# Altium PCB PCB main.PcbDoc (part 1 of 2) (continued)
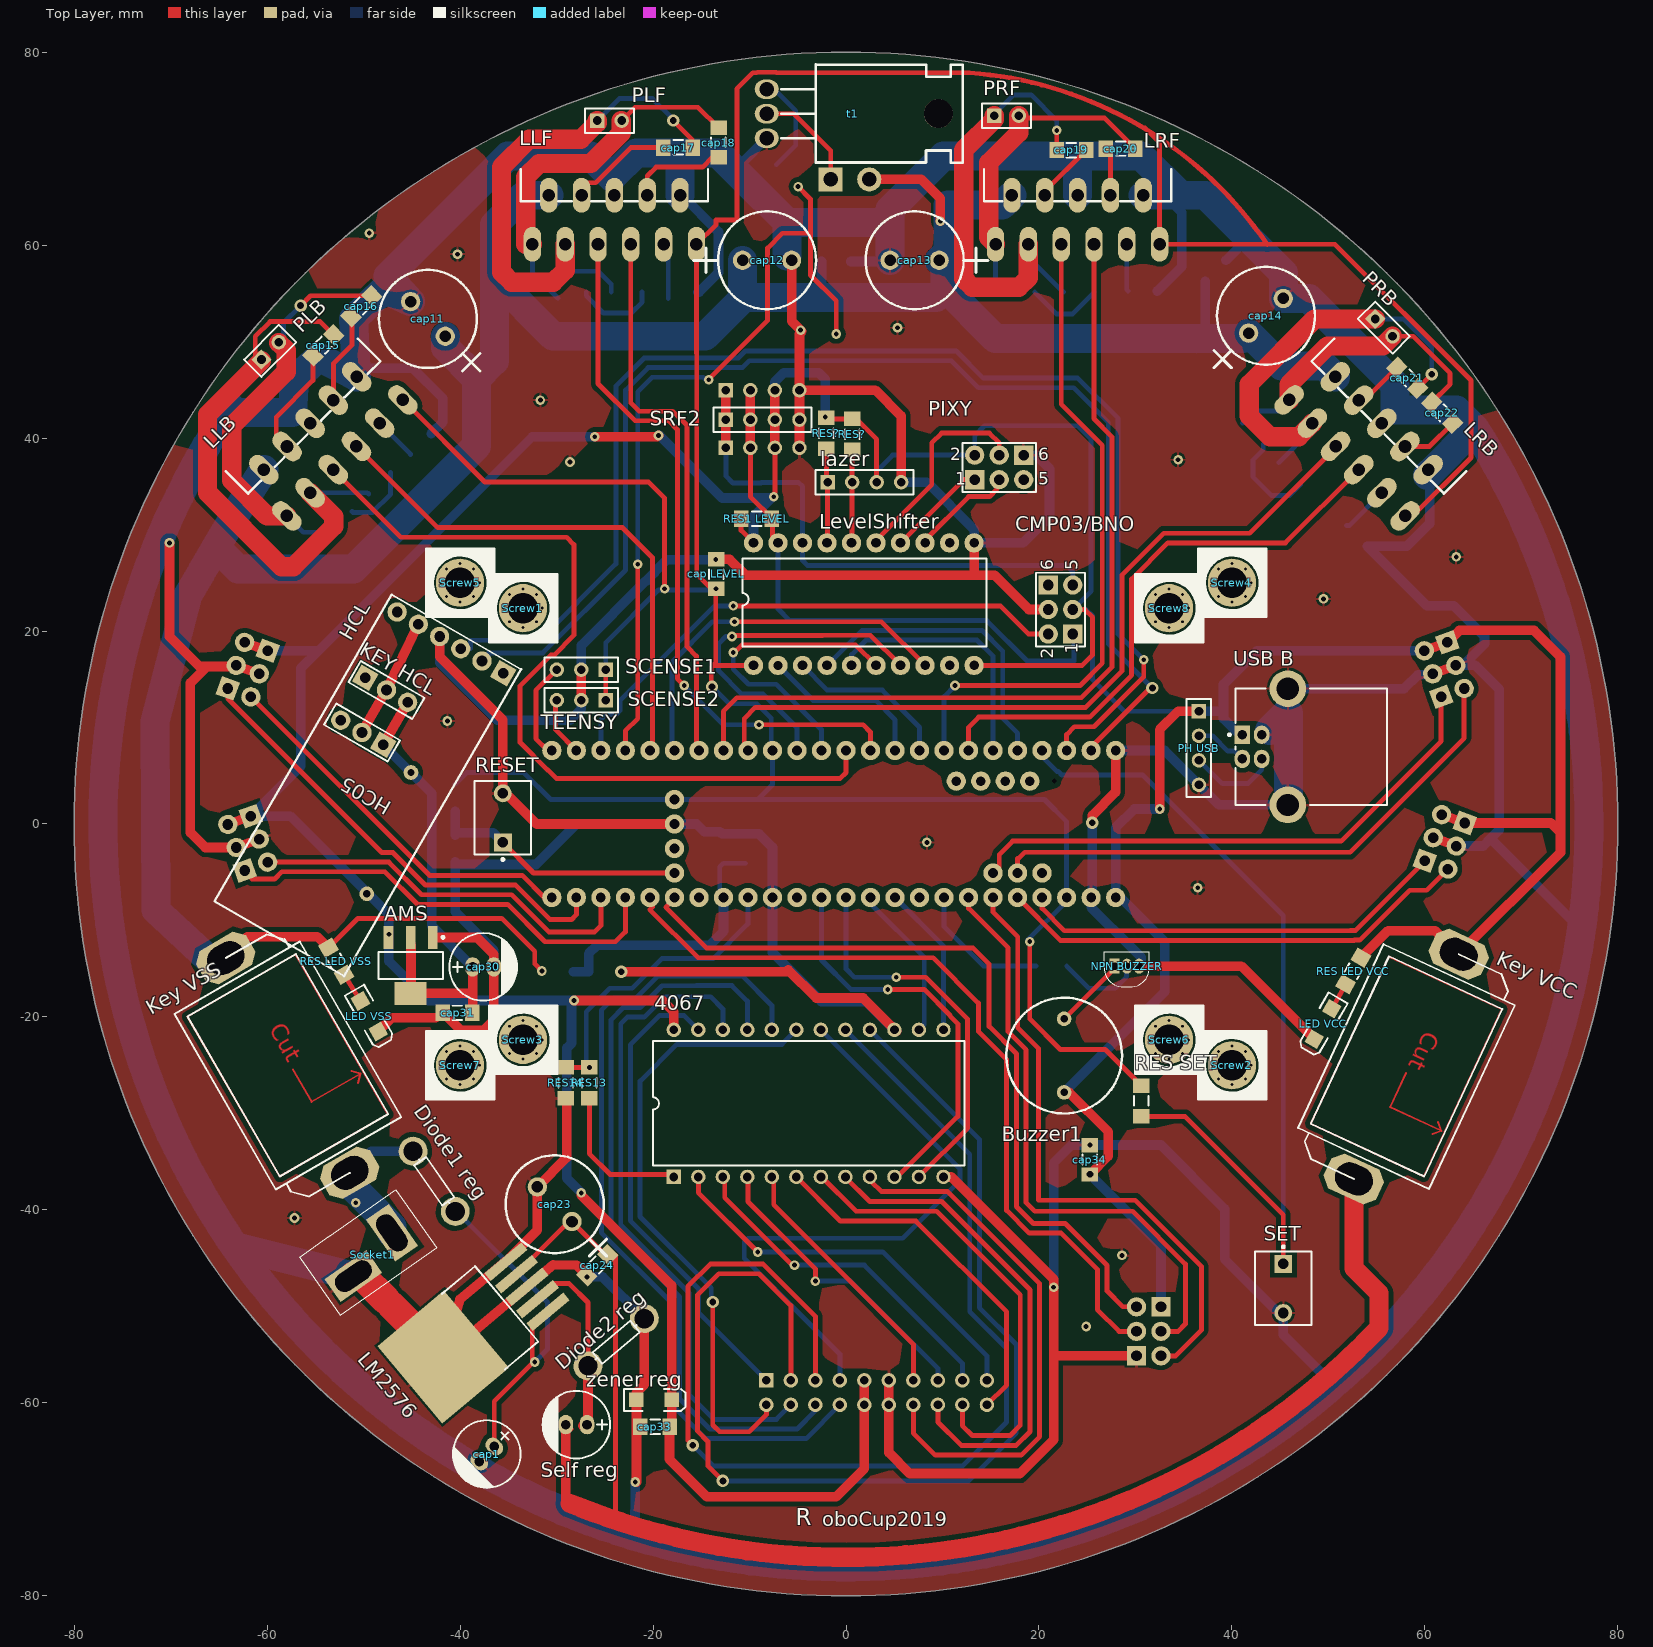
[diagram p0: Top Layer view]
## Components (designator, comment, footprint, x,y, rotation, side; value= is the part's Value field where it differs from the comment) (continued)
PRF "Header 2" HDR1X2 15.367,73.406 r0 top
"RES1 LEVEL" "SMD" "Resistor SMD 1206" -9.271,31.623 r180 top
"RES2 LEVEL" "SMD" "Resistor SMD 1206" -6.096,33.782 r180 bottom
RES5 "SMD" "Resistor SMD 1206" -48.328,35.306 r225 bottom
RES6 "SMD" "Resistor SMD 1206" -22.733,55.118 r180 bottom
RES7 "SMD" "Resistor SMD 1206" 24.13,55.118 r180 bottom
RES8 "SMD" "Resistor SMD 1206" 45.974,36.322 r135 bottom
RES11 "SMD" "Resistor SMD 1206" -24.892,-15.316 r180 bottom
RES13 "SMD" "Resistor SMD 1206" -26.598,-26.826 r90 top
RES14 "SMD" "Resistor SMD 1206" -29.04,-26.826 r90 top
"RES BUZZER" "SMD" "Resistor SMD 1206" 21.285,-14.732 r0 bottom
"RES feedback" "SMD" "Resistor SMD 1206" -29.845,-15.316 r0 bottom
"RES LED VCC" "SMD" "Resistor SMD 1206" 52.578,-15.24 r240 top
"RES LED VSS" "SMD" "Resistor SMD 1206" -52.832,-14.224 r300 top
"RES RESET" "SMD" "Resistor SMD 1206" -40.513,2.921 r90 bottom
"RES SET" "SMD" "Resistor SMD 1206" 30.607,-28.702 r90 top
"RES SHOOT" "SMD" "Resistor SMD 1206" -6.096,67.183 r135 bottom
RES? "SMD" "Resistor SMD 1206" 0.635,40.386 r90 top
RES? "SMD" "Resistor SMD 1206" -2.032,40.513 r90 top
RESET "SW-PB" SW_2pin -35.56,0.635 r90 top
right "IDC 2X3" "IDC 2X3" 62.053,-1.852 r250 bottom (schematic designator S4)
SCENSE1 "Header 3" HDR1X3 -24.892,16.002 r180 top (schematic designator "P SCENSE1")
SCENSE2 "Header 3" HDR1X3 -24.892,12.827 r180 top (schematic designator "P SCENSE2")
Screw1 "Screw" Screw -33.479,22.37 r0 top
Screw2 "Screw" Screw 40,-25 r0 top
Screw3 "Screw" Screw -33.479,-22.37 r0 top
Screw4 "Screw" Screw 40,25 r0 top
Screw5 "Screw" Screw -40,25 r0 top
Screw6 "Screw" Screw 33.479,-22.37 r0 top
Screw7 "Screw" Screw -40,-25 r0 top
Screw8 "Screw" Screw 33.479,22.37 r0 top
"Self reg" "100uf" "Cap 100uF" -27.813,-62.325 r90 top (schematic designator SELF)
selon "Selon" "Selon Con" 0.435,66.417 r180 bottom
SET "SW-PB" SW_2pin 45.321,-48.133 r270 top
Socket1 "TSocket" TSocket -46.788,-48.527 r35 top
SRF1 "Header 4" HDR1X4 -12.446,44.958 r0 bottom (schematic designator SRF3)
SRF2 "Header 4" HDR1X4 -12.446,41.91 r0 top (schematic designator SRF4)
SRF3 "Header 4" HDR1X4 -12.446,38.989 r0 bottom (schematic designator SRF1)
t1 "TIP41" TIP41 1.27,73.787 r270 top
TEENSY "TEENSY_3.5/3.6" TEENSY_3.5/3.6 0,0 r180 top
"USB B" "USB_B" USB_B.1 43.434,8.001 r0 top (schematic designator "USB B1")
"zener fb" "diode f" "LED SMD" -13.056,-2.92 r270 bottom (schematic designator zener)
"zener reg" "diode" "LED SMD" -19.592,-59.715 r0 top (schematic designator "zener REG")
"zener shoot" "diode" "LED SMD" -2.541,50.8 r0 bottom

## Footprints (in the part's own frame and the unit in brackets; to place one, negate y for a bottom-side part, rotate by r counter-clockwise, add the part's x,y. Pads: shape width x height; smd on the part's side, far side on the other; paste and mask are expansions set on the pad)
"4067 DIP" [mm]
  rect 1.5x1.5 hole 0.9: 1(-7.874,13.776)
  round 1.5 hole 0.9: 2(-7.874,11.236) 3(-7.874,8.696) 4(-7.874,6.156) 5(-7.874,3.616) 6(-7.874,1.076) 7(-7.874,-1.464) 8(-7.874,-4.004) 9(-7.874,-6.544) 10(-7.874,-9.084) 11(-7.874,-11.624) 12(-7.874,-14.164) 13(7.366,-14.164) 14(7.366,-11.624) 15(7.366,-9.084) 16(7.366,-6.544) 17(7.366,-4.004) 18(7.366,-1.464) 19(7.366,1.076) 20(7.366,3.616) 21(7.366,6.156) 22(7.366,8.696) 23(7.366,11.236) 24(7.366,13.776)
  silkscreen extent -6.7,-16.34 6.2,15.96, body extent -9.14,-16.64 8.64,16, height 9.79
Buzzer [mil]
  round 60 hole 30: 1(-149,0) 2(151,0)
  silkscreen extent -235,-236 237,236, body extent -269,-269 270,270, height 299
"Cap 100uF" [mm]
  oval 2x1.5 hole 1: 1(0.076,-0.973) 2(0.076,1.227)
  silkscreen extent -3.42,-3.37 3.57,3.62, body extent -2.45,-2.4 2.6,2.65, height 11.53
"Cap 1000uf" [mm]
  round 2 hole 1.2: 1(2.591,0) 2(-2.489,0)
  silkscreen extent -5.03,-5.08 7.67,5.08, body extent -5,-5 5,5, height 13.5
"Cap SMD" [mm]
  rect 1.5x1.7 smd: 1(-1.525,0) 2(1.525,0)
  silkscreen extent -0.47,-0.72 0.53,0.78, body extent -1.49,-0.76 1.55,0.76, height 0.75
CJMCU [mm]
  round 2 hole 0.9: A1(0,-2.54)
  round 2 hole 1: A2(0,-5.08) A3(0,-7.62) A4(0,-10.16) A5(0,-12.7) A6(0,-15.24) A7(0,-17.78) A8(0,-20.32) B1(12.7,-2.54) B2(12.7,-5.08) B3(12.7,-7.62) B4(12.7,-10.16) B5(12.7,-12.7) B6(12.7,-15.24) B7(12.7,-17.78) B8(12.7,-20.32) GND(12.7,-22.86) OE(0,-22.86) vA(0,0) vB(12.7,0)
  silkscreen extent 1.98,-24.13 11.1,1.14
D2PAK [mm] "LM2576"
  rect 5x1.05 smd paste-25.4 mask-25.4: 1(-7.758,3.375) 2(-7.758,1.675) 3(-7.758,-0.025) 4(-7.758,-1.725) 5(-7.758,-3.425)
  rect 9x10.5 smd mask-25.4: 6(3.592,-0.025)
  silkscreen extent -5.01,-5.13 -0.51,5.07, body extent -7.37,-5.08 6.86,5.08, height 4.87
Diode [mm]
  round 3 hole 2: 1(3.861,-0.025) 2(-3.759,-0.025)
  silkscreen extent -2.72,-0.79 2.82,0.74, body extent -3.57,-1.03 3.93,0.97, height 2
HC05 [mm]
  rect 2x2 hole 1.1: 1(-5.588,-15.24)
  round 2 hole 1.1: 2(-3.048,-15.24) 3(-0.508,-15.24) 4(2.032,-15.24) 5(4.572,-15.24) 6(7.112,-15.24)
  silkscreen extent -6.99,-16.51 8.51,20.19, body extent -7.21,-22.82 8.89,19.78, height 5.9
HDR1X2 [mm] "Connector; Header; 2 Position"
  rect 1.5x1.5 hole 0.9: 1(0,0)
  round 1.5 hole 0.9: 2(2.54,0)
  silkscreen extent -1.27,-1.27 3.81,1.27
HDR1X3 [mm] "Connector; Header; 3 Position"
  rect 1.5x1.5 hole 0.9: 1(0,0)
  round 1.5 hole 0.9: 2(2.54,0) 3(5.08,0)
  silkscreen extent -1.27,-1.27 6.35,1.27
HDR1X4 [mm] "Connector; Header; 4 Position"
  rect 1.5x1.5 hole 0.9: 1(0,0)
  round 1.5 hole 0.9: 2(2.54,0) 3(5.08,0) 4(7.62,0)
  silkscreen extent -1.27,-1.27 8.89,1.27
"IDC 2X3" [mm]
  rect 2x2 hole 1.1: 1(-2.54,-1.27) 6(2.54,1.27)
  round 2 hole 1.1: 2(-2.54,1.27) 3(0,-1.27) 4(0,1.27) 5(2.54,-1.27)
  silkscreen extent -3.81,-2.54 3.81,2.54, body extent -7.62,-4.86 7.62,4.59, height 9.1
"IDC 2x10" [mm]
  rect 1.5x1.5 hole 0.9: 1(0,0)
  round 1.5 hole 0.9: 2(0,2.54) 3(2.54,0) 4(2.54,2.54) 5(5.08,0) 6(5.08,2.54) 7(7.62,0) 8(7.62,2.54) 9(10.16,0) 10(10.16,2.54) 11(12.7,0) 12(12.7,2.54) 13(15.24,0) 14(15.24,2.54) 15(17.78,0) 16(17.78,2.54) 17(20.32,0) 18(20.32,2.54) 19(22.86,0) 20(22.86,2.54)
  silkscreen extent -1.27,-1.27 24.13,3.81, body extent -5.08,-3.51 27.94,5.59, height 2.1
"KEY 2ST" [mm]
  rect 2x2 hole 1.1: 1(-2.54,2.54) 6(2.54,-2.54)
  round 2 hole 1.1: 2(-2.54,-2.54) 3(0,2.54) 4(0,-2.54) 5(2.54,2.54)
  silkscreen extent -3.81,-3.81 3.81,3.81
"LED SMD" [mm]
  rect 1.5x1.5 smd: 1(-2.125,0.025) 2(1.525,0.025)
  silkscreen extent -3.4,-1.12 2.95,1.18, body extent -1.93,-0.7 1.38,0.75, height 1.36
MultiWatt11 [mm] "L6203"
  oval 1.8x3.6 hole 1.3 mask-25.4: 1(-8.5,-2.921) 2(-6.8,2.159) 3(-5.1,-2.921) 4(-3.4,2.159) 5(-1.7,-2.921) 6(0,2.159) 7(1.7,-2.921) 8(3.4,2.159) 9(5.1,-2.921) 10(6.8,2.159) 11(8.5,-2.921)
  silkscreen extent -9.7,1.56 9.7,4.86, body extent -10.1,-3.28 10.1,6.61, height 22.8
NPN [mm]
  rect 1x1.55 hole 0.8: 1(1.27,0)
  oval 1x1.55 hole 0.8: 2(0,0) 3(-1.27,0)
  silkscreen extent -2.35,-1.47 2.35,2.15, body extent -2.35,-1.47 2.41,2.16, height 6.83
"Power Key" [mm]
  oct 4x6 hole 3 slot 4 at 90 deg: 1(12.947,0.122) 2(-12.753,0.122)
  Top Layer lines w0.2: 0.697,0.372 4.597,0.372 4.597,6.222 ; 5.297,5.522 4.597,6.222 ; 3.897,5.522 4.597,6.222 ; 9.65,-6.35 -9.475,-6.35 -9.475,6.575 9.65,6.575 9.65,-6.35
  Bottom Layer lines w0.2: 9.65,-6.35 9.65,6.575 -9.5,6.575 -9.5,-6.35 9.65,-6.35
  silkscreen extent -12.75,-7.38 12.95,7.62, body extent -10.39,-7.25 10.9,7.76, height 3.29
"Resistor SMD 1206" [mm]
  rect 1.5x1.7 smd: 1(-1.6,0) 2(1.6,0)
  silkscreen extent -0.5,-0.75 0.5,0.75, body extent -1.6,-0.8 1.6,0.8, height 0.55
Screw [mm]
  round 0.6 hole 0.3: S(-2,0) S(-1.414,-1.414) S(-1.414,1.414) S(0,-2) S(0,2) S(1.414,-1.414) S(1.414,1.414) S(2,0)
  round 5 hole 3.15 mask+0.1: S(0,0)
  silkscreen extent -3.49,-3.53 3.56,3.52, body extent -2.8,-2.8 2.8,2.8, height 3.88
"Selon Con" [mm]
  rect 2.5x2.5 hole 1.5: 1(2.022,0.385)
  round 2.5 hole 1.5: 2(-1.978,0.385)
  silkscreen extent -3.98,-5.36 4.02,6.64
SOT223 [mm]
  rect 1x2.4 smd: 1(-2.269,-2.85) 2(0.031,-2.85) 3(2.331,-2.85)
  rect 3.3x2.4 smd: 2(0.031,2.95)
  silkscreen extent -3.44,-2.97 3.38,1.45, body extent -3.21,-3.44 3.27,3.54, height 1.64
SW_2pin [mm]
  rect 1.85x1.85 hole 1.1: 1(-2.54,0)
  round 1.85 hole 1.1: 2(2.54,0)
  silkscreen extent -4.44,-2.92 3.81,2.92, body extent -3.96,-3.1 3.96,3.1, height 4.45
TEENSY_3.5/3.6 [mm]
  round 2 hole 1: 0/RX(-25.4,-7.62) 1/TX(-22.86,-7.62) 2(-20.32,-7.62) 3/CANTX(-17.78,-7.62) 3V3(7.62,-7.62) 3V3_2(17.78,-2.54) 3V3_LO(-22.86,7.62) 4/CANRX(-15.24,-7.62) 5(-12.7,-7.62) 6(-10.16,-7.62) 7(-7.62,-7.62) 8(-5.08,-7.62) 9/CS(-2.54,-7.62) 10/CS(0,-7.62) 11/MOSI(2.54,-7.62) 12/MISO(5.08,-7.62) 13/SCK(5.08,7.62) 14/A0(2.54,7.62) 15/A1(0,7.62) 16/A2(-2.54,7.62) 17/A3(-5.08,7.62) 18/A4/SDA(-7.62,7.62) 19/A5/SCL(-10.16,7.62) 20/A6(-12.7,7.62) 21/A7(-15.24,7.62) 21/DAC0(12.7,7.62) 22/A8(-17.78,7.62) 23/A9(-20.32,7.62) 24(10.16,-7.62) 25(12.7,-7.62) 26(15.24,-7.62) 27(17.78,-7.62) 28(20.32,-7.62) 29(22.86,-7.62) 30(25.4,-7.62) 31/A12(27.94,-7.62) 32/A13(30.48,-7.62) 33/A14(30.48,7.62) 34/A15(27.94,7.62) 35/A16(25.4,7.62) 36/A17(22.86,7.62) 37/A18(20.32,7.62) 38/A19(17.78,7.62) 39/A20(15.24,7.62) A10(-17.78,5.08) A11(-15.24,5.08) A22/DAC1(10.16,7.62) AGND(-25.4,7.62) AREF(-20.32,5.08) GND(-27.94,-7.62) GND2(7.62,7.62) GND3(17.78,0) PROG(17.78,2.54) RESET(17.78,5.08) UD+(-16.51,-4.445) UD-(-19.05,-4.445) UGND1(-13.97,-4.445) UGND2(-11.43,-4.445) VIN(-27.94,7.62)
  round 0 hole 0.5: U5V(-21.59,-4.445)
  round 0 all layers, no hole: VBAT(17.78,-5.08) VUSB(-25.4,5.08)
  body extent -30.67,-8.89 31.69,8.89, height 7.49
TIP41 [mm]
  round 3 hole 3: 0(0.175,8.296)
  oval 2x2.5 hole 1.5: 1(-2.365,-9.484) 2(0.175,-9.484) 3(2.715,-9.484)
  silkscreen extent -4.9,-7.96 5.26,10.84
TSocket [mm]
  rect 5.3x2.9 hole 2 slot 4.2 at 0 deg: 1(-2.54,3.81)
  rect 2.9x5.3 hole 2 slot 4.2 at 90 deg: 2(3.302,5.207)
  silkscreen extent -5.97,1.27 6.22,8.64, body extent -5.78,1.18 6.22,8.48, height 14.25
USB_B.1 [mm]
  rect 1.6x1.9 hole 1: 1(-2.355,1.25)
  oval 1.6x1.9 hole 1: 2(-2.355,-1.25) 3(-0.355,-1.25) 4(-0.355,1.25)
  round 3.8 hole 2.3: 5(2.355,6.02) 6(2.355,-6.02)
  silkscreen extent -3.83,-6.02 12.64,6.02, body extent -3.86,-7.45 12.64,7.45, height 10.95

## Part data
cap1 cap30 "Self reg": library part "Cap 100uF"
cap2 cap3 cap4 cap5 cap7 cap8 cap9 cap10 cap15 cap16 cap17 cap18 cap19 cap20 cap21 cap22 cap24 cap25 cap26 cap27 cap28 cap31 cap33 cap34 "cap LEVEL" "cap RESET" capfb: library part "Cap SMD"
cap11 cap12 cap13 cap14 cap23: library part "Cap 1000uF"
"Idc sensor1": library part "IDC 2x10"
lazer "PH USB" SRF1 SRF2 SRF3: "Header, 4-Pin", LatestRevisionDate=17-Jul-2002, LatestRevisionNote="Re-released for DXP Platform.", Publisher="Altium Limited"
"LED VCC" "LED VSS": library part "LED SMD"
"NPN BUZZER": library part NPN
PLB PLF PRB PRF: "Header, 2-Pin", LatestRevisionDate=17-Jul-2002, LatestRevisionNote="Re-released for DXP Platform.", Publisher="Altium Limited"
"RES1 LEVEL" "RES2 LEVEL" RES5 RES6 RES7 RES8 RES11 RES13 RES14 "RES BUZZER" "RES feedback" "RES LED VCC" "RES LED VSS" "RES RESET" "RES SET" "RES SHOOT" RES? RES?: library part "Res SMD"
RESET SET: "Switch", LatestRevisionDate=17-Jul-2002, LatestRevisionNote="Re-released for DXP Platform.", PackageDescription="Switch; 2 Leads", PackageReference=SPST-2, Published=24-Mar-1999, Publisher="Altium Limited"
SCENSE1 SCENSE2: "Header, 3-Pin", LatestRevisionDate=17-Jul-2002, LatestRevisionNote="Re-released for DXP Platform.", Publisher="Altium Limited"
"USB B": "USB B", LatestRevisionDate=17-Jul-2002, LatestRevisionNote="Re-released for DXP Platform.", Publisher="Altium Limited"
"zener fb" "zener reg" "zener shoot": library part SMDZenerDiode
Screw1 Screw2 Screw3 Screw4 Screw5 Screw6 Screw7 Screw8: LatestRevisionDate=17-Jul-2002, LatestRevisionNote="Re-released for DXP Platform.", Publisher="Altium Limited"
TEENSY: DeviceSetName=TEENSY_3.5/3.6, GateName_1=G$1, LibraryName=Teensy356, Package=TEENSY_3.5/3.6, SymbolName_1=TEENSY_3.5/3.6

## Free pads (board coordinates)
  round 1.524 hole 0.762: 2(-45.085,5.334) 3(-49.657,-7.239)

## Via types
v1: diameter 1, hole 0.5, Top Layer to Bottom Layer, 55 vias
v2: diameter 1.27, hole 0.711, Top Layer to Bottom Layer, 11 vias

## Nets (pads, with @x,y where several pads share a name; then routed paths per layer and width w, separated by ;. In a path a pad name is that pad's centre, name@x,y a point inside that pad or via, vN(x,y) a via of type N, cw(c..) or ccw(c..) an arc to the next point about the centre after c; other vN are vias at no path point)
3V3: "cap LEVEL.2" "RES RESET.2" "RES SET.2" LevelShifter.vA LLB.11 LLF.11 LRB.11 LRF.11 SCENSE1.1 SCENSE2.1 TEENSY.3V3 TEENSY.3V3_2 TEENSY.3V3_LO | length 379.6
  Top Layer w0.5: LLB.11@-45.924,43.945 -37.412,35.433 -20.447,35.433 -18.796,33.782 v1(-18.796,24.384) ; SCENSE2.1@-24.892,12.827 SCENSE1.1@-24.892,16.002 ; v2(-13.876,14.224) -13.97,14.318 -13.97,16.256 -13.792,16.434 ; LevelShifter.vA@-9.585,16.434 -13.792,16.434 ; v1(19.05,-12.192) 19.05,-20.193 22.225,-23.368 26.873,-23.368 30.607,-27.102 ; 30.999,72.125 32.5,70.624 LRF.11@32.5,60.079 50.665,60.079 64.77,45.974 64.77,37.973 58.721,31.924 LRB.11@57.945,31.924 ; 43.661,60.026 ccw(c9.812,37.045) 12.799,77.849 -7.187,77.849 -7.239,77.902 -9.189,77.902 -9.241,77.849 -9.654,77.849 -11.303,76.2 -11.303,62.609 -13.462,62.609 -13.462,62.117 LLF.11@-15.5,60.079 -15.5,48.808 -15.474,48.782 -15.474,25.888 -13.494,23.908 -13.494,16.732 -13.792,16.434
  Bottom Layer w0.5: -40.513,4.14 -39.319,5.334 -33.401,5.334 -30.607,2.54 TEENSY.3V3_2@-17.78,2.54 -9.144,2.54 ; SCENSE1.1@-24.892,16.002 -24.892,18.796 -19.431,24.257 v1@-13.589,24.257 ; v2(-13.876,14.224) -12.114,12.462 -9.236,12.462 -7.747,10.973 -7.747,7.747 TEENSY.3V3@-7.62,7.62 -7.62,4.064 -9.144,2.54 ; v1(19.05,-12.192) 18.923,-12.192 18.796,-12.065 22.86,-8.001 TEENSY.3V3_LO@22.86,-7.62 22.86,0.254 20.574,2.54 -9.144,2.54
  other v1: -13.462,24.384
3V3AMS: "KEY HCL.1" "KEY HCL.2" AMS.2 cap30.1 cap31.1 pad.2 | length 47.5
  Top Layer w1: -47.965,8.214 -45.425,12.614 ; AMS.2@-45.116,-17.555 -38.79,-17.555 -38.692,-17.653 ; AMS.2@-45.085,-16.824 AMS.2@-45.085,-12.517 ; cap31.1@-38.734,-19.558 -38.692,-19.516 -38.692,-17.653 ; cap30.1@-38.692,-14.808 -38.692,-17.653
  Bottom Layer w1: -47.965,8.214 -42.926,3.175 -42.926,-10.574 cap30.1@-38.692,-14.808
3V3HC: "KEY HCL.3" "KEY HCL.4" HCL.5 | length 12.7
  Top Layer w1: -50.165,9.484 -47.625,13.884 HCL.5@-44.318,20.701
ADRESS0: 4067.10 TEENSY.14/A0 | length 42.2
  Top Layer w0.5: v1(4.318,-17.145) 8.111,-17.145 10.811,-19.845 10.811,-19.926 11.6,-20.715 11.6,-30.31 5.334,-36.576 4067.10@5.02,-36.576
  Bottom Layer w0.5: TEENSY.14/A0@-2.54,-7.62 -2.54,-14.097 0.508,-17.145 v1(4.318,-17.145)
ADRESS1: 4067.11 TEENSY.15/A1 | length 40.6
  Top Layer w0.5: v1(5.207,-15.875) 8.255,-15.875 12.6,-20.22 12.6,-31.536 4067.11@7.56,-36.576
  Bottom Layer w0.5: TEENSY.15/A1@0,-7.62 0,-15.013 0.862,-15.875 v1(5.207,-15.875)
ADRESS2: 4067.14 TEENSY.16/A2 | length 16.3
  Bottom Layer w0.5: TEENSY.16/A2@2.54,-7.62 2.54,-8.255 8.111,-13.826 8.111,-20.785 4067.14@7.56,-21.336
ADRESS3: 4067.13 TEENSY.17/A3 | length 15.5
  Bottom Layer w0.5: TEENSY.17/A3@5.08,-7.62 10.1,-12.64 4067.13@10.1,-21.082
BALLSENSORS: RES13.2 RES14.2 TEENSY.A22/DAC1 | length 31.6
  Top Layer w0.5: RES14.2@-29.04,-25.226 v1(-26.598,-25.226)
  Bottom Layer w0.5: v1(-26.598,-25.226) -26.924,-24.9 -26.924,-19.454 -24.488,-17.018 -22.149,-17.018 -19.081,-13.95 -13.756,-13.95 -10.16,-10.354 TEENSY.A22/DAC1@-10.16,-7.62
BUZZER: "RES BUZZER.1" TEENSY.19/A5/SCL | length 14.2
  Bottom Layer w0.5: TEENSY.19/A5/SCL@10.16,-7.62 10.16,-10.638 14.254,-14.732 19.685,-14.732
feedback: "RES feedback.2" "zener fb.2" capfb.2 RES11.2 TEENSY.21/DAC0 | length 28
  Bottom Layer w0.5: TEENSY.21/DAC0@-12.7,-7.62 -13.081,-7.239 -13.081,-4.445 -12.701,-4.065 capfb.2@-10.414,-4.065
  Bottom Layer w1: -28.245,-15.316 -26.67,-15.316 -26.67,-13.433 -25.81,-12.573 -14.151,-12.573 -12.7,-11.122 TEENSY.21/DAC0@-12.7,-7.62
GND: 4067.12 4067.15 "cap LEVEL.1" "cap RESET.1" "Diode2 reg.1" "Idc sensor1.11" "Idc sensor1.12" "Idc sensor2.1" "LED VCC.2" "LED VSS.2" "NPN BUZZER.3" "PH USB.4" "USB B.4" "USB B.5" "USB B.6" "zener fb.1" "zener reg.1" "zener shoot.1" AMS.1 back.3 back.4 cap1.2 cap2.1 cap3.1 cap4.1 cap5.1 cap7.1 cap8.1 cap9.1 cap10.1 cap11.2 cap12.2 cap13.2 cap14.2 cap23.2 cap24.1 cap30.2 cap31.2 cap33.1 cap34.2 capfb.1 CMP03/BNO.4 front.3 front.4 HCL.4 lazer.4 left.3 left.4 LevelShifter.GND LLB.6 LLB.10 LLF.6 LLF.10 LM2576.3 LM2576.5 LM2576.6 LRB.6 LRB.10 LRF.6 LRF.10 PIXY.6 RES11.1 RES14.1 RESET.2 right.3 right.4 SCENSE1.2 SCENSE2.2 SET.2 Socket1.1 SRF1.4 SRF2.4 SRF3.4 t1.3 TEENSY.AGND TEENSY.GND TEENSY.GND2 TEENSY.GND3 | length 1356.4
  Top Layer w1: v1(-70.104,29.134) -70.104,19.431 -67.002,16.329 -66.221,16.329 ; back.3@-60.807,-1.566 back.4@-63.193,-2.434 -66.4,-2.434 -67.945,-0.889 -67.945,14.605 -66.221,16.329 ; left.3@-60.807,15.566 left.4@-63.193,16.434 -63.299,16.329 -66.221,16.329 ; -48.492,-21.501 -47.057,-20.066 -42.545,-20.066 ; AMS.1@-42.816,-11.755 -38.244,-11.755 -36.492,-13.507 cap30.2@-36.492,-14.808 -36.492,-20.33 -37.57,-21.408 -39.898,-21.408 -41.748,-19.558 cap31.2@-41.784,-19.558 ; HCL.4@-42.118,19.431 -42.118,17.353 -35.56,10.795 RESET.2@-35.56,3.175 -35.24,3.175 -32.065,0 TEENSY.GND3@-17.78,0 ; LM2576.5@-35.281,-45.315 -40.005,-49.255 LM2576.6@-41.757,-55.248 LM2576.3@-33.062,-47.953 -30.34,-45.695 -27.915,-45.716 cap24.1@-26.851,-46.798 ; LM2576.5@-35.248,-45.348 -31.986,-42.087 cap23.2@-31.986,-37.61 -28.956,-34.58 RES14.1@-28.956,-28.524 ; SCENSE2.2@-27.432,12.827 SCENSE1.2@-27.432,16.002 ; v2(-23.292,-15.316) -6.201,-15.316 -5.998,-15.113 -3.077,-18.034 1.778,-18.034 4067.15@5.24,-21.496 ; v1@-21.717,-68.199 -21.717,-59.69 -21.717,-58.928 -20.902,-58.113 -20.902,-51.259 ; v1@-13.462,27.434 -12.067,27.434 -10.414,25.781 13.275,25.781 ; cap12.2@-5.639,58.42 -5.639,52.121 v1(-4.699,51.181) -4.572,51.054 -4.826,50.8 SRF1.4@-4.826,44.958 ; SRF3.4@-4.826,38.989 SRF2.4@-4.826,41.91 SRF1.4@-4.826,44.958 ; 4.445,-57.658 4.445,-60.198 4.445,-65.151 6.604,-67.31 18.024,-67.31 21.516,-63.818 21.516,-55.118 ; lazer.4@5.715,35.433 5.715,42.282 3.039,44.958 SRF1.4@-4.826,44.958 ; 4067.12@10.1,-36.576 10.922,-36.576 21.516,-47.17 v1(21.516,-48.006) 21.516,-55.118 ; LevelShifter.GND@13.275,29.134 13.275,25.781 ; CMP03/BNO.4@20.955,22.225 18.955,22.225 15.399,25.781 13.275,25.781 ; v2(25.527,0.124) 25.527,0.886 27.94,3.299 TEENSY.GND@27.94,7.62 ; 30.107,-55.118 21.516,-55.118 ; 30.6,-14.732 40.978,-14.732 48.535,-22.289 ; front.4@60.807,15.566 front.3@63.193,16.434 ; right.4@60.859,-1.417 right.3@63.246,-2.286
  Top Layer w3: Socket1.1@-51.054,-46.863 -50.142,-46.863 -47.677,-49.328 ; -47.06,-49.945 LM2576.6@-41.757,-55.248
  Bottom Layer w1: LLB.10@-50.718,46.335 -49.809,47.244 -44.905,47.244 -41.784,44.123 -41.784,41.655 cap2.1@-42.991,40.448 ; HCL.4@-42.118,19.431 -42.118,16.718 -36.154,10.754 -28.575,10.754 -27.432,11.897 SCENSE2.2@-27.432,12.827 ; cap30.2@-36.492,-14.808 -36.492,-13.103 -40.513,-9.082 -40.513,-3.939 -40.261,-4.191 -32.131,-4.191 -27.94,0 TEENSY.GND3@-17.78,0 -15.494,0 -14.699,-0.795 -13.081,-0.795 -12.861,-1.015 capfb.1@-10.414,-1.015 -9.018,-1.015 -7.62,-2.413 TEENSY.GND2@-7.62,-7.62 -7.62,-13.335 -2.56,-18.395 2.079,-18.395 4067.15@5.02,-21.336 ; SCENSE1.2@-27.432,16.002 -27.432,18.51 -20.772,25.17 -20.715,25.17 -19.836,26.049 -19.836,26.106 -18.542,27.4 v1(-13.494,27.4) ; v1(-26.851,-46.936) -25.225,-46.936 -20.902,-51.259 ; -21.865,-73.83 v1(-21.844,-68.199) v1@-21.844,-68.072 ; LLF.10@-17.2,65.159 -16.993,65.159 -13.208,61.374 -13.208,57.137 -15.227,55.118 cap3.1@-15.365,55.118 ; -10.795,67.056 -10.795,68.491 t1.3@-8.214,71.072 ; cap9.1@0.509,58.293 4.445,58.293 cap13.2@4.572,58.42 ; lazer.4@5.715,35.433 8.382,35.433 13.275,30.54 LevelShifter.GND@13.275,29.134 18.339,29.134 21.082,31.877 21.082,36.83 19.685,38.227 PIXY.6@18.415,38.227 ; v1(21.516,-48.006) 21.516,-35.126 23.368,-33.274 v1(25.273,-33.274) 32.639,-33.274 39.243,-39.878 39.243,-45.107 44.809,-50.673 SET.2@44.917,-50.673 ; v2(25.527,0.124) 25.527,-7.493 TEENSY.AGND@25.4,-7.62 25.4,-8.636 29.721,-12.957 ; TEENSY.GND@27.94,7.62 33.02,7.62 36.576,4.064 38.659,1.981 45.789,1.981 ; 29.721,-12.957 30.6,-13.836 30.6,-14.732 ; cap4.1@32.263,55.245 34.798,57.78 34.798,63.381 33.02,65.159 ; cap10.1@39.37,58.42 41.689,60.739 ; SET.2@45.321,-50.673 45.321,-52.941 50.419,-58.039 ; 45.789,14.021 57.822,14.021 59.262,15.461 60.701,15.461 front.4@60.807,15.566 ; LRB.10@60.253,36.134 60.462,36.669 60.481,36.718 60.481,36.363 60.481,31.144 58.104,28.767 cap5.1@54.037,28.767 60.198,22.606 62.992,22.606 66.167,19.431 66.167,18.669 front.3@63.932,16.434 ; front.3@63.193,16.434 front.3@63.932,16.434 ; right.3@63.246,-2.286 66.04,-2.286 66.802,-1.524 ; 75.885,-10.607 66.802,-1.524 ; front.3@63.932,16.434 65.227,16.434 67.691,13.97 67.691,-0.635 66.802,-1.524
  Bottom Layer w3: -63.757,43.175 ccw(c0,0) -22.225,-73.723 ccw(c0,0) -21.865,-73.83 ccw(c0,0) 65.159,41.028 63.291,42.896 56.896,42.896 56.896,45.531 47.962,54.465 cap14.2@45.321,54.465 45.321,57.106 41.689,60.739 37.268,65.159 34.671,65.159 ; -63.711,42.659 -57.366,42.659 -57.15,46.101 -54.61,48.387 LLB.10@-50.718,46.335 -51.054,52.324 -47.879,55.372 cap11.2@-45.121,54.138 -47.488,56.779 -35.052,69.215 -26.455,69.215 -24.257,67.017 -21.733,69.541 -17.2,69.541 ; -63.06,-43.836 Socket1.1@-51.054,-46.863 ; LLF.10@-17.2,65.159 -17.2,69.541 ; cap12.2@-6.096,58.877 -6.096,62.357 ; cap13.2@4.572,58.42 4.572,61.849 ; LRF.6@24,65.159 24,68.583 23.368,69.215 ; LRF.10@30.8,65.159 33.02,65.159 34.671,65.159 ; 43.879,9.701 45.789,11.611 45.879,11.521 45.879,1.981 45.789,1.981 ; LRB.10@60.253,36.134 60.481,36.363 65.023,40.905 ; -17.2,69.541 -13.28,69.541 -10.795,67.056 -6.096,62.357 ; -6.096,62.357 4.064,62.357 4.572,61.849 ; 4.572,61.849 4.572,63.703 10.084,69.215 23.368,69.215 ; 23.368,69.215 30.615,69.215 34.671,65.159
  other v1: 24.882,-52.07 28.6,-44.704 -57.15,-40.825 36.449,-6.604 8.382,-1.905 -41.313,10.668 49.487,23.327 63.237,27.686 -28.596,37.509 34.417,37.752 -31.673,43.931 5.334,51.428 -40.259,59.055 -49.403,61.24
"IN GPIO mlb": LLB.7 TEENSY.28 | length 55.5
  Top Layer w0.5: LLB.7@-50.732,39.137 -42.316,30.72 -23.165,30.72 -20.066,27.621 -20.066,7.874 TEENSY.28@-20.32,7.62
"IN GPIO mlf": LLF.7 TEENSY.26 | length 57.4
  Top Layer w0.5: LLF.7@-22.3,60.079 -22.3,43.636 -21.447,42.783 -17.959,42.783 -16.474,41.298 -16.474,18.379 -15.5,17.405 -15.5,7.88 TEENSY.26@-15.24,7.62
"IN GPIO mrb": LRB.5 TEENSY.24 | length 82.3
  Top Layer w0.5: TEENSY.24@-10.16,7.62 -10.541,8.001 -10.541,10.922 -9.382,12.081 24.827,12.081 28.591,15.845 28.591,25.8 32.925,30.134 41.848,30.134 50.732,39.019 LRB.5@50.732,39.137
"IN GPIO mrf": LRF.7 TEENSY.25 | length 90.8
  Top Layer w0.5: TEENSY.25@-12.7,7.62 -12.7,11.684 -11.303,13.081 24.401,13.081 27.559,16.239 27.559,40.137 25.7,41.996 LRF.7@25.7,60.079
"IN PWM mlb": LLB.5 TEENSY.10/CS | length 89.1
  Top Layer w0.5: LLB.5@-53.137,36.732 -46.124,29.72 -28.958,29.72 -28.194,28.956 -28.194,19.558 -30.25,17.502 -30.593,17.502 -33.782,14.313 -33.782,8.447 -30.923,5.588 -30.877,5.588 -29.988,4.699 -0.635,4.699 0,5.334 TEENSY.10/CS@0,7.62
"IN PWM mlf": LLF.5 TEENSY.9/CS | length 74.7
  Top Layer w0.5: LLF.5@-25.7,60.079 -25.7,45.622 -21.861,41.783 -18.373,41.783 -17.474,40.884 -17.474,15.061 v1(-16.764,14.351) ; v1(-9.017,10.287) 1.778,10.287 2.54,9.525 TEENSY.9/CS@2.54,7.62
  Bottom Layer w0.5: v1(-16.764,14.351) -16.764,14.334 -12.717,10.287 v1(-9.017,10.287)
"IN PWM mrb": LRB.7 TEENSY.5 | length 59.7
  Top Layer w0.5: TEENSY.5@12.7,7.62 12.7,10.033 13.748,11.081 25.241,11.081 29.591,15.431 29.591,25.386 33.339,29.134 45.538,29.134 LRB.7@53.137,36.732
"IN PWM mrf": LRF.5 TEENSY.6 | length 68.6
  Top Layer w0.5: v1(11.303,14.351) 24.257,14.351 26.559,16.653 26.559,39.243 22.3,43.502 LRF.5@22.3,60.079
  Bottom Layer w0.5: TEENSY.6@10.16,7.62 10.16,13.208 v1(11.303,14.351)
"IN REG": "Diode1 reg.1" "Key VSS.1" Socket1.2 | length 15.5
  Bottom Layer w1: -51.421,-36.151 -49.176,-33.907 -44.866,-33.907
  Bottom Layer w3: -51.421,-36.151 -51.421,-37.352 -47.07,-41.703 Socket1.2@-47.07,-42.368
  other v1: -50.8,-39.243
"MISO p": LevelShifter.B6 PIXY.1 | length 10.4
  Top Layer w0.5: LevelShifter.B6@5.655,29.134 12.208,35.687 PIXY.1@13.335,35.687
"MISO pixy": LevelShifter.A6 TEENSY.12/MISO | length 36.4
  Top Layer w0.5: v1(-11.811,19.431) -11.811,19.524 -11.837,19.55 -2.413,19.55 -2.405,19.558 2.531,19.558 LevelShifter.A6@5.655,16.434
  Bottom Layer w0.5: v1(-11.811,19.431) -12.446,19.431 -13.208,18.669 -13.208,15.875 -10.795,13.462 -8.569,13.462 -5.08,9.973 TEENSY.12/MISO@-5.08,7.62
"MOSI p": LevelShifter.B5 PIXY.4 | length 21.9
  Top Layer w0.5: LevelShifter.B5@3.115,29.134 3.115,29.404 8.89,35.179 8.89,39.497 9.906,40.513 14.859,40.513 15.875,39.497 PIXY.4@15.875,38.227
"MOSI pixy": LevelShifter.A5 TEENSY.11/MOSI | length 31.6
  Top Layer w0.5: v1(-11.684,17.78) -11.557,17.78 -10.795,18.542 1.007,18.542 LevelShifter.A5@3.115,16.434
  Bottom Layer w0.5: v1(-11.684,17.78) -11.684,16.058 -10.104,14.478 -7.239,14.478 -2.54,9.779 TEENSY.11/MOSI@-2.54,7.62
NetBuzzer1_2: "NPN BUZZER.1" Buzzer1.2 | length 7.6
  Top Layer w0.5: Buzzer1.2@22.606,-20.193 27.83,-14.969 27.83,-14.732
Netcap1_1: "Diode1 reg.2" cap1.1 LM2576.1 | length 36.1
  Top Layer w0.5: cap1.1@-36.449,-64.516 -36.449,-59.817 -32.512,-55.88 -32.512,-52.192 LM2576.1@-30.877,-50.557
  Bottom Layer w0.5: -40.178,-40.34 -30.932,-49.586 -30.932,-54.427 v1(-32.258,-55.753)